# Altium PCB EgSA-Cube3.PcbDoc (part 1 of 2) (continued)
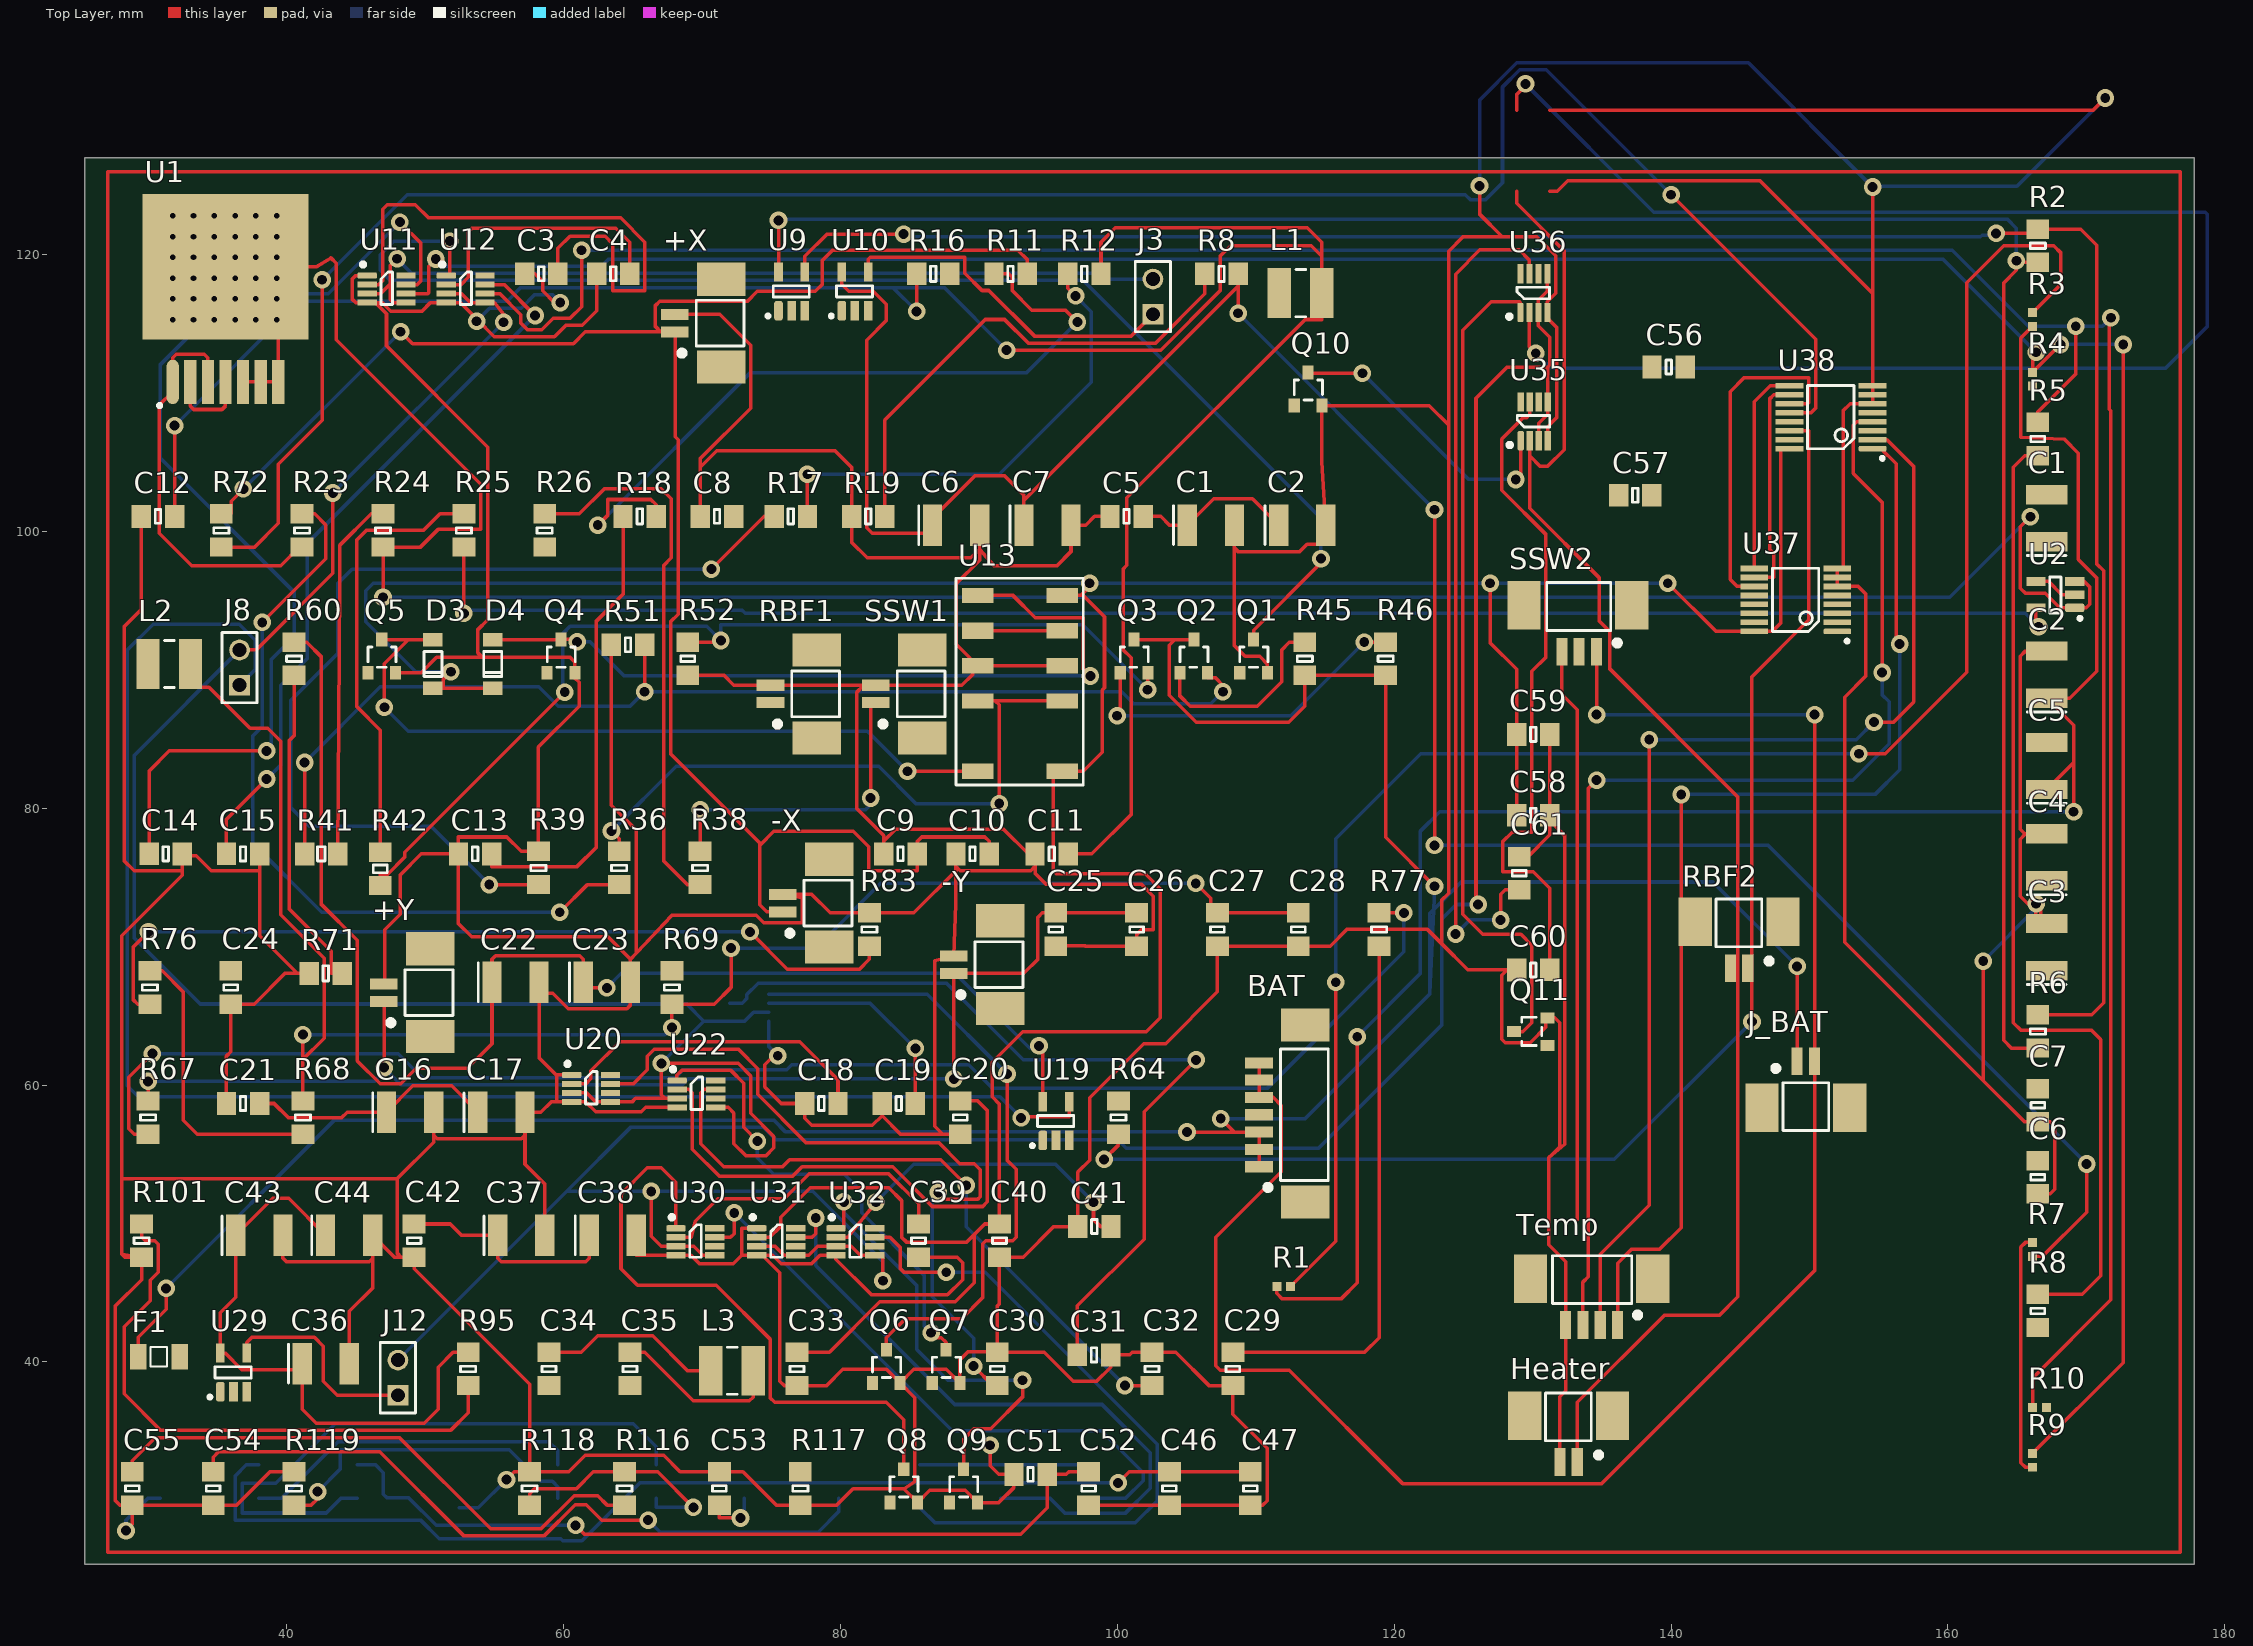
[diagram p0: Top Layer view]
## Part data (continued)
R51 R52: "RES 27K OHM 1% 1/2W 0805", Manufacturer="Panasonic Electronic Components", Operating Temperature="-55°C ~ 155°C", Package / Case="0805 (2012 Metric)", Power (Watts)="0.5W, 1/2W", Supplier Device Package=0805, Supplier Part Number 1=P16902CT-ND, Temperature Coefficient=±200ppm/°C, Tolerance=±1%, Category=Resistors, ComponentLink1Description=https://industrial.panasonic.com/cdbs/www-data/pdf/RDO0000/RDO0000C337.pdf, ComponentLink1URL=https://industrial.panasonic.com/cdbs/www-data/pdf/RDO0000/RDO0000C337.pdf, Composition="Thick Film", Failure Rate=-, Features="Automotive AEC-Q200, Pulse Withstanding", Height - Seated (Max)="0.030\" (0.75mm)", Manufacturer Part Number=ERJ-P6WF2702V, Packaging="Cut Tape (CT)", Part Status=Active, Pricing 1="1=0.61, 10=0.465, 100=0.1956, 1000=0.10794, 2500=0.10119 (USD)", RoHS="RoHS Compliant", Size / Dimension="0.079\" L x 0.049\" W (2.00mm x 1.25mm)", Stock 1=2607, Supplier 1=Digi-Key
R64 R72: "RES 20K OHM 1% 1/2W 0805", Case Code (Imperial)=0805, Case Code (Metric)=2012, Manufacturer="Vishay Dale", Max Operating Temperature=155°C, Max Power Dissipation=333mW, Min Operating Temperature=-55°C, Package Quantity=10, Power Rating=500mW, Resistance=20kR, Supplier Part Number 1=541-20.0KTCT-ND, Temperature Coefficient=100ppm/°C, Tolerance=1%, Voltage Rating=150V, Case/Package=0805, ComponentLink1Description=http://www.vishay.com/docs/20043/crcwhpe3.pdf?src-supplier=Digi-Key, ComponentLink1URL=http://www.vishay.com/docs/20043/crcwhpe3.pdf?src-supplier=Digi-Key, ComponentLink2Description=http://www.vishay.com/docs/20043/crcwhpe3.pdf?src-supplier=Avnet, ComponentLink2URL=http://www.vishay.com/docs/20043/crcwhpe3.pdf?src-supplier=Avnet, Composition="Thick Film", Contact Plating=Tin, Depth=1.25mm, Features="Automotive AEC-Q200", Height=0.024inch, Lead Free="Lead Free", Length=2mm, Manufacturer Part Number=CRCW080520K0FKEAHP, Mount="Surface Mount", Number of Terminations=2, Packaging="Tape and Reel", Pricing 1="1=0.24, 10=0.204, 100=0.0798, 1000=0.0334, 2500=0.0306 (USD)", Radiation Hardening=No, Stock 1=10149, Supplier 1=Digi-Key, Termination=SMD/SMT, Weight=0.000194oz, Width=1.2mm
R67: "RES 191K OHM 1% 1/2W 0805", Case Code (Imperial)=0805, Case Code (Metric)=2012, Manufacturer=Panasonic, Manufacturer Part Number=ERJP06F1913V, Max Operating Temperature=155°C, Min Operating Temperature=-55°C, Package Quantity=5000, Power Rating=500mW, Resistance=191kR, Resistor Type="Thick Film", Supplier Part Number 1=667-ERJ-P06F1913V, Temperature Coefficient=100ppm/°C, Tolerance=1%, Voltage Rating=150V, Voltage Rating (DC)=400V, Case/Package=0805, ComponentLink1Description=http://www.farnell.com/datasheets/1801181.pdf?src-supplier=Element14, ComponentLink1URL=http://www.farnell.com/datasheets/1801181.pdf?src-supplier=Element14, ComponentLink2Description=http://www.farnell.com/datasheets/2059624.pdf?src-supplier=Farnell, ComponentLink2URL=http://www.farnell.com/datasheets/2059624.pdf?src-supplier=Farnell, ComponentLink3Description=http://www.mouser.com/ds/2/315/AOA0000C291-1101061.pdf?src-supplier=Mouser, ComponentLink3URL=http://www.mouser.com/ds/2/315/AOA0000C291-1101061.pdf?src-supplier=Mouser, Height=0.6mm, Length=2mm, Mount="Surface Mount", Packaging="Tape and Reel", Pricing 1="1=0.15, 10=0.086, 50=0.071, 100=0.048, 1000=0.022, 10000=0.016 (USD)", REACH SVHC="No SVHC", RoHS Compliant=Yes, Stock 1=9958, Supplier 1=Mouser, Width=1.2mm
R103: "RES 470K OHM 1% 1/2W 0805", Case Code (Imperial)=0805, Case Code (Metric)=2012, Manufacturer="Vishay Dale", Max Operating Temperature=155°C, Max Power Dissipation=500mW, Min Operating Temperature=-55°C, Package Quantity=5000, Power Rating=330mW, Resistance=470kR, Resistor Type="Thick Film", Supplier Part Number 1=71-CRCW0805470KFKEAH, Temperature Coefficient=100ppm/°C, Tolerance=1%, Case/Package=0805, ComponentLink1Description=http://www.vishay.com/docs/20043/crcwhpe3.pdf?src-supplier=Digi-Key, ComponentLink1URL=http://www.vishay.com/docs/20043/crcwhpe3.pdf?src-supplier=Digi-Key, Contact Plating=Tin, Features="Automotive AEC-Q200", Height=0.024inch, Lead Free="Lead Free", Length=0.079inch, Manufacturer Part Number=CRCW0805470KFKEAHP, Mount="Surface Mount", Number of Terminations=2, Packaging="Tape and Reel", Pricing 1="1=0.26, 10=0.222, 50=0.222, 100=0.086, 1000=0.033, 10000=0.025 (USD)", RoHS Compliant=Yes, Series=CRCW-HP, Stock 1=3950, Supplier 1=Mouser, Termination=Wraparound, Width=0.049inch
R107: "RES SMD 12.4K OHM 1% 1/2W 0805", Case Code (Imperial)=0805, Case Code (Metric)=2012, Manufacturer="Vishay Dale", Max Operating Temperature=155°C, Max Power Dissipation=500mW, Min Operating Temperature=-55°C, Package Quantity=5000, Resistance=12.4kR, Resistor Type="Thick Film", Supplier Part Number 1=541-12.4KTCT-ND, Temperature Coefficient=100ppm/°C, Tolerance=1%, Case/Package=0805, ComponentLink1Description=http://www.vishay.com/docs/20043/crcwhpe3.pdf?src-supplier=Digi-Key, ComponentLink1URL=http://www.vishay.com/docs/20043/crcwhpe3.pdf?src-supplier=Digi-Key, Features="Automotive AEC-Q200", Height=0.024inch, Lead Free="Lead Free", Length=0.079inch, Manufacturer Part Number=CRCW080512K4FKEAHP, Number of Terminations=2, Packaging="Tape and Reel", Pricing 1="1=0.23, 10=0.192, 100=0.0752, 1000=0.0315, 2500=0.0289 (USD)", RoHS Compliant=Yes, Series=CRCW-HP, Stock 1=1008, Supplier 1=Digi-Key, Width=0.049inch
R108: "RES 1M OHM 1% 1/2W 0805", Case Code (Imperial)=0805, Case Code (Metric)=2012, Manufacturer="Vishay Dale", Max Operating Temperature=155°C, Max Power Dissipation=333mW, Min Operating Temperature=-55°C, Package Quantity=10, Power Rating=330mW, Resistance=1MR, Resistor Type="Thick Film", Supplier Part Number 1=541-1.00MTCT-ND, Temperature Coefficient=100ppm/°C, Tolerance=1%, Voltage Rating=150V, Case/Package=0805, ComponentLink1Description=http://www.vishay.com/docs/20043/crcwhpe3.pdf?src-supplier=Digi-Key, ComponentLink1URL=http://www.vishay.com/docs/20043/crcwhpe3.pdf?src-supplier=Digi-Key, ComponentLink2Description=http://www.vishay.com/docs/20043/crcwhpe3.pdf?src-supplier=Avnet, ComponentLink2URL=http://www.vishay.com/docs/20043/crcwhpe3.pdf?src-supplier=Avnet, ComponentLink3Description=http://www.mouser.com/ds/2/427/crcwhpe3-46056.pdf?src-supplier=Mouser, ComponentLink3URL=http://www.mouser.com/ds/2/427/crcwhpe3-46056.pdf?src-supplier=Mouser, Contact Plating=Tin, Features="Automotive AEC-Q200", Height=0.024inch, Lead Free="Lead Free", Length=2mm, Manufacturer Part Number=CRCW08051M00FKEAHP, Mount="Surface Mount", Number of Terminations=2, Packaging="Tape and Reel", Pricing 1="1=0.23, 10=0.193, 100=0.0753, 1000=0.0315, 2500=0.0289 (USD)", Radiation Hardening=No, RoHS Compliant=Yes, Series=CRCW-HP, Stock 1=21204, Supplier 1=Digi-Key, Termination=SMD/SMT, Weight=0.000194oz, Width=0.049inch
R111: "RES 510K OHM 1% 1/2W 0805", Case Code (Imperial)=0805, Case Code (Metric)=2012, Manufacturer="Vishay Dale", Max Operating Temperature=155°C, Max Power Dissipation=500mW, Min Operating Temperature=-55°C, Package Quantity=5000, Power Rating=330mW, Resistance=510kR, Resistor Type="Thick Film", Supplier Part Number 1=541-510KTCT-ND, Temperature Coefficient=100ppm/°C, Tolerance=1%, Case/Package=0805, ComponentLink1Description=http://www.vishay.com/docs/20043/crcwhpe3.pdf?src-supplier=Digi-Key, ComponentLink1URL=http://www.vishay.com/docs/20043/crcwhpe3.pdf?src-supplier=Digi-Key, Contact Plating=Tin, Features="Automotive AEC-Q200", Height=0.024inch, Lead Free="Lead Free", Length=0.079inch, Manufacturer Part Number=CRCW0805510KFKEAHP, Mount="Surface Mount", Number of Terminations=2, Packaging="Tape and Reel", Pricing 1="1=0.23, 10=0.193, 100=0.0753, 1000=0.0315, 2500=0.0289 (USD)", RoHS Compliant=Yes, Series=CRCW-HP, Stock 1=3687, Supplier 1=Digi-Key, Termination=Wraparound, Width=0.049inch
R112: "RES 78.7 KOHM 1% 1/2W 0805", Case Code (Imperial)=0805, Case Code (Metric)=2012, Manufacturer=Panasonic, Max Operating Temperature=155°C, Min Operating Temperature=-55°C, Package Quantity=5000, Power Rating=500mW, Resistance=78.7kR, Resistor Type="Thick Film", Supplier Part Number 1=667-ERJ-P06F7872V, Temperature Coefficient=100ppm/°C, Tolerance=1%, Voltage Rating=150V, Voltage Rating (DC)=400V, Case/Package=0805, ComponentLink1Description=http://www.mouser.com/ds/2/315/AOA0000CE4-64075.pdf?src-supplier=Mouser, ComponentLink1URL=http://www.mouser.com/ds/2/315/AOA0000CE4-64075.pdf?src-supplier=Mouser, ComponentLink2Description=http://www.farnell.com/datasheets/1801181.pdf?src-supplier=Element14, ComponentLink2URL=http://www.farnell.com/datasheets/1801181.pdf?src-supplier=Element14, Height=0.6mm, Length=2mm, Manufacturer Part Number=ERJ-P06F7872V, Mount="Surface Mount", Packaging="Tape and Reel", Pricing 1="1=0.17, 10=0.098, 50=0.081, 100=0.055, 1000=0.025, 10000=0.017 (USD)", REACH SVHC="No SVHC", Stock 1=4900, Supplier 1=Mouser, Width=1.2mm
R113: "RES 9.09K OHM 1% 1/2W 0805", Case/Package=0805, Manufacturer="Vishay Dale", Max Power Dissipation=333mW, Package Quantity=5000, Resistance=9.09kR, Resistor Type="Thick Film", Supplier Part Number 1=541-CRCW08059K09FKEAHPCT-ND, Temperature Coefficient=100ppm/°C, Tolerance=1%, ComponentLink1Description=http://www.vishay.com/docs/20043/crcwhpe3.pdf?src-supplier=Digi-Key, ComponentLink1URL=http://www.vishay.com/docs/20043/crcwhpe3.pdf?src-supplier=Digi-Key, Features="Automotive AEC-Q200", Height=0.024inch, Lead Free="Lead Free", Length=0.079inch, Manufacturer Part Number=CRCW08059K09FKEAHP, Number of Terminations=2, Packaging="Tape and Reel", Pricing 1="1=0.23, 10=0.193, 100=0.0753, 1000=0.0315, 2500=0.0289 (USD)", RoHS Compliant=Yes, Series=CRCW-HP, Stock 1=4900, Supplier 1=Digi-Key, Width=0.049inch
R116: "RES 1.6K OHM 1% 1/2W 0805", Capacitance=4.7nF, Case/Package=0805, Dielectric=X7R, Dielectric Material=Ceramic, Manufacturer=KEMET, Manufacturer Part Number=C0805C472K4RAC7800, Max Operating Temperature=125°C, Min Operating Temperature=-55°C, Supplier Part Number 1=399-14607-1-ND, Tolerance=10%, Voltage Rating (DC)=16V, ComponentLink1Description=http://components.arrow.com/part/dataview/0323_00331522?src-supplier=Arrow+Europe, ComponentLink1URL=http://components.arrow.com/part/dataview/0323_00331522?src-supplier=Arrow+Europe, ComponentLink2Description=http://capacitoredge.kemet.com/capedge2/DataSheet?pn=C0805C472K4RACTU&src-supplier=Avnet+Europe, ComponentLink2URL=http://capacitoredge.kemet.com/capedge2/DataSheet?pn=C0805C472K4RACTU&src-supplier=Avnet+Europe, Construction=Flat, Depth=1.25mm, Height=0.78mm, Length=2mm, Mount="Surface Mount", Packaging="Tape and Reel", Pricing 1="1=0.3, 10=0.207, 50=0.1378, 100=0.1171, 500=0.0826, 1000=0.0723 (USD)", Radiation Hardening=No, Stock 1=904, Supplier 1=Digi-Key
R117: "RES 105 KOHM 1% 1/2W 0805", Case Code (Imperial)=0805, Case Code (Metric)=2012, Manufacturer=Panasonic, Manufacturer Part Number=ERJP06F1053V, Max Operating Temperature=155°C, Min Operating Temperature=-55°C, Package Quantity=5000, Power Rating=500mW, Resistance=105kR, Resistor Type="Thick Film", Supplier Part Number 1=667-ERJ-P06F1053V, Temperature Coefficient=100ppm/°C, Tolerance=1%, Voltage Rating=150V, Voltage Rating (DC)=400V, Case/Package=0805, ComponentLink1Description=http://www.farnell.com/datasheets/1801181.pdf?src-supplier=Element14, ComponentLink1URL=http://www.farnell.com/datasheets/1801181.pdf?src-supplier=Element14, ComponentLink2Description=http://www.mouser.com/ds/2/315/AOA0000C291-1101061.pdf?src-supplier=Mouser, ComponentLink2URL=http://www.mouser.com/ds/2/315/AOA0000C291-1101061.pdf?src-supplier=Mouser, ComponentLink3Description=http://www.farnell.com/datasheets/2059624.pdf?src-supplier=Farnell, ComponentLink3URL=http://www.farnell.com/datasheets/2059624.pdf?src-supplier=Farnell, Height=0.6mm, Length=2mm, Mount="Surface Mount", Packaging="Tape and Reel", Pricing 1="1=0.17, 10=0.09, 50=0.075, 100=0.05, 1000=0.024, 10000=0.017 (USD)", REACH SVHC="No SVHC", Stock 1=14770, Supplier 1=Mouser, Width=1.2mm
SSW2: "CONN HEADER SMD R/A 3POS 1.25MM", Color=Natural, Contact Resistance=20mR, Current Rating=1A, Flammability Rating="UL94 V-0", Insulation Resistance=100MR, Manufacturer=Molex, Manufacturer Series=53261, Max Operating Temperature=85°C, Min Operating Temperature=-40°C, Supplier Part Number 1=538-53261-0371, Voltage Rating=125V, ComponentLink1Description=https://www.molex.com/pdm_docs/pk/SPK-53261-002-001.pdf?src-supplier=Digi-Key, ComponentLink1URL=https://www.molex.com/pdm_docs/pk/SPK-53261-002-001.pdf?src-supplier=Digi-Key, ComponentLink2Description=http://www.jameco.com/Jameco/Products/ProdDS/1302094.pdf?src-supplier=Jameco, ComponentLink2URL=http://www.jameco.com/Jameco/Products/ProdDS/1302094.pdf?src-supplier=Jameco, ComponentLink3Description=https://www.molex.com/pdm_docs/sd/532610371_sd.pdf?src-supplier=Digi-Key, ComponentLink3URL=https://www.molex.com/pdm_docs/sd/532610371_sd.pdf?src-supplier=Digi-Key, ComponentLink4Description=http://www.onlinecomponents.com/productFiles/mf-MOL/1620532610371_pcb_headers.pdf?src-supplier=Onlinecomponents.com, ComponentLink4URL=http://www.onlinecomponents.com/productFiles/mf-MOL/1620532610371_pcb_headers.pdf?src-supplier=Onlinecomponents.com, ComponentLink5Description=http://components.arrow.com/part/dataview/40924515S9851323N3303?src-supplier=Arrow+Electronics, ComponentLink5URL=http://components.arrow.com/part/dataview/40924515S9851323N3303?src-supplier=Arrow+Electronics, ComponentLink6Description=http://www.molex.com/webdocs/datasheets/pdf/en-us/0532610371_PCB_HEADERS.pdf?src-supplier=Avnet, ComponentLink6URL=http://www.molex.com/webdocs/datasheets/pdf/en-us/0532610371_PCB_HEADERS.pdf?src-supplier=Avnet, ComponentLink7Description=http://uk.rs-online.com/webdocs/1380/0900766b8138010c.pdf?src-supplier=RSComponents, ComponentLink7URL=http://uk.rs-online.com/webdocs/1380/0900766b8138010c.pdf?src-supplier=RSComponents, Connector Type="Blade Pin", Contact Gender=Male, Contact Material=Bronze,Tin, Contact Plating=Tin, Contact Type="Blade Pin", Depth=5.2mm, DIN Conformance=No, Filter Feature=No, Housing Color=Natural, Housing Material=Nylon, IEC Conformance=No, Length=8.9mm, Manufacturer Part Number=53261-0371, MIL Conformance=No, Mixed Contacts=No, Mount="Surface Mount,Board", Mounting Style=STRAIGHT, Number of Contacts=3, Number of Positions=3, Number of Rows=1, Number of Rows Loaded=1, Option="General Purpose", Orientation="Right Angle", Packaging="Tape and Reel", Pitch=1.25mm, Pricing 1="1=0.57, 10=0.426, 50=0.426, 100=0.373, 1000=0.274, 10000=0.221 (USD)", Radiation Hardening=No, REACH SVHC=Unknown, RoHS Compliant=Yes, Series=PicoBlade, Stock 1=43703, Supplier 1=Mouser, Termination=Solder, Voltage Rating (AC)=125V, Working Voltage=125V
Temp: "CONN HEADER SMD R/A 4POS 1.25MM", Color=Beige, Contact Resistance=20mR, Current Rating=1A, Flammability Rating="UL94 V-0", Housing Color=Natural, Insulation Resistance=100MR, Manufacturer=Molex, Max Operating Temperature=105°C, Min Operating Temperature=-40°C, Package Quantity=1000, Supplier Part Number 1=WM7622CT-ND, Voltage Rating=125V, ComponentLink1Description=http://www.mouser.com/ds/2/276/0532610471_PCB_HEADERS-170942.pdf?src-supplier=Mouser, ComponentLink1URL=http://www.mouser.com/ds/2/276/0532610471_PCB_HEADERS-170942.pdf?src-supplier=Mouser, ComponentLink2Description=http://components.arrow.com/part/dataview/41622439S9851324N3303?src-supplier=Arrow+Electronics, ComponentLink2URL=http://components.arrow.com/part/dataview/41622439S9851324N3303?src-supplier=Arrow+Electronics, ComponentLink3Description=http://uk.rs-online.com/webdocs/1380/0900766b8138010d.pdf?src-supplier=RSComponents, ComponentLink3URL=http://uk.rs-online.com/webdocs/1380/0900766b8138010d.pdf?src-supplier=RSComponents, ComponentLink4Description=http://www.farnell.com/datasheets/1867384.pdf?src-supplier=Element14, ComponentLink4URL=http://www.farnell.com/datasheets/1867384.pdf?src-supplier=Element14, ComponentLink5Description=http://www.molex.com/webdocs/datasheets/pdf/en-us/0532610471_PCB_HEADERS.pdf?src-supplier=Avnet+Europe, ComponentLink5URL=http://www.molex.com/webdocs/datasheets/pdf/en-us/0532610471_PCB_HEADERS.pdf?src-supplier=Avnet+Europe, ComponentLink6Description=http://www.molex.com/webdocs/datasheets/pdf/en-us/0532610471_PCB_HEADERS.pdf?src-supplier=Avnet, ComponentLink6URL=http://www.molex.com/webdocs/datasheets/pdf/en-us/0532610471_PCB_HEADERS.pdf?src-supplier=Avnet, ComponentLink7Description=http://www.farnell.com/datasheets/2697767.pdf?src-supplier=Newark, ComponentLink7URL=http://www.farnell.com/datasheets/2697767.pdf?src-supplier=Newark, ComponentLink8Description=https://www.alliedelec.com/m/d/74d14d19c60ab078e4881c4c1bd42ef7.pdf?src-supplier=Allied+Electronics, ComponentLink8URL=https://www.alliedelec.com/m/d/74d14d19c60ab078e4881c4c1bd42ef7.pdf?src-supplier=Allied+Electronics, ComponentLink9Description=http://www.jameco.com/Jameco/Products/ProdDS/1932555.pdf?src-supplier=Jameco, ComponentLink9URL=http://www.jameco.com/Jameco/Products/ProdDS/1932555.pdf?src-supplier=Jameco, Contact Gender=Male, Contact Material=Tin, Contact Plating=Tin, Contact Type=-, Gender=Male, Glow Wire Compliant=Non-compliant, Housing Material=Thermoplastic, Lead Free="Lead Free", Lead Pitch=1.25mm, Manufacturer Part Number=53261-0471, Mount="Surface Mount", Number of Circuits=4, Number of Contacts=4, Number of Positions=4, Number of Rows=1, Orientation="Right Angle", Packaging="Cut Tape", Pitch=1.25mm, Pricing 1="1=0.59, 10=0.499, 100=0.3883 (USD)", Radiation Hardening=No, REACH SVHC=Unknown, RoHS Compliant=Yes, Series=53261, Stock 1=35326, Supplier 1=Digi-Key, Termination=SMD/SMT, Voltage Rating (AC)=125V, Voltage Rating (DC)=125V, Weight=0.005598oz, Working Voltage=125V
U1: library part LMZ22005TZX/NOPB, "DC DC CONVERTER 0.8-6V", Manufacturer="TI National Semiconductor", Max Input Voltage=20V, Max Operating Temperature=85°C, Max Power Dissipation=30W, Min Input Voltage=6V, Min Operating Temperature=-40°C, Output Current=5A, Package Quantity=500, Supplier Part Number 1=296-43603-1-ND, Switching Frequency=950kHz, ComponentLink1Description=http://www.ti.com/lit/ds/symlink/lmz22005.pdf?src-supplier=Digi-Key, ComponentLink1URL=http://www.ti.com/lit/ds/symlink/lmz22005.pdf?src-supplier=Digi-Key, Contact Plating=Tin,Matte, Efficiency=92%, Features=UVLO, Height=0.18inch, Lead Free="Lead Free", Length=0.4inch, Manufacturer Part Number=LMZ22005TZX/NOPB, Mount="Surface Mount", Number of Outputs=1, Number of Pins=7, Output Power=30W, Output Voltage=6V, Packaging="Tape and Reel", Pricing 1="1=9.19, 5=9.124, 10=9.055, 25=8.9156, 50=8.637, 100=7.8012, 250=7.6619 (USD)", Stock 1=2457, Supplier 1=Digi-Key, Voltage - Output 1=6V, Width=0.54inch
U2: library part LT6106HS5#TRPBF_1, "IC OPAMP CURR SENSE TSOT23-5", Current - Supply=70µA, Manufacturer="Linear Technology", Manufacturer Part Number=LT6106HS5#TRMPBF, Operating Temperature="-40°C ~ 125°C", Package / Case="SOT-23-5 Thin, TSOT-23-5", Supplier Device Package=TSOT-23-5, Supplier Part Number 1=LT6106HS5#TRMPBFCT-ND, Voltage - Supply, Single/Dual (±)="2.7 V ~ 36 V", Amplifier Type="Current Sense", Base Part Number=LT6106, Category="Integrated Circuits (ICs)", ComponentLink1Description=http://www.linear.com/docs/24992, ComponentLink1URL=http://www.linear.com/docs/24992, Mounting Type="Surface Mount", Output Type=-, Packaging="Cut Tape (CT)", Part Status=Active, Pricing 1="1=2.3, 25=2.0504, 100=1.3586, 250=1.24544 (USD)", RoHS="RoHS Compliant", Slew Rate=-, Stock 1=7462, Supplier 1=Digi-Key
U9 U10 U19 U29: library part LT6106HS5#TRPBF, "IC OPAMP CURR SENSE TSOT23-5", Current - Supply=70µA, Manufacturer="Linear Technology", Manufacturer Part Number=LT6106HS5#TRMPBF, Operating Temperature="-40°C ~ 125°C", Package / Case="SOT-23-5 Thin, TSOT-23-5", Supplier Device Package=TSOT-23-5, Supplier Part Number 1=LT6106HS5#TRMPBFCT-ND, Voltage - Supply, Single/Dual (±)="2.7 V ~ 36 V", Amplifier Type="Current Sense", Base Part Number=LT6106, Category="Integrated Circuits (ICs)", ComponentLink1Description=http://www.linear.com/docs/24992, ComponentLink1URL=http://www.linear.com/docs/24992, Mounting Type="Surface Mount", Output Type=-, Packaging="Cut Tape (CT)", Part Status=Active, Pricing 1="1=2.3, 25=2.0504, 100=1.3586, 250=1.24544 (USD)", RoHS="RoHS Compliant", Slew Rate=-, Stock 1=7462, Supplier 1=Digi-Key
U11 U12 U20 U21 U22 U30 U31 U32 U35 U36: library part LTC4361HTS8-2#TRMPBF, "IC OVERVOLT PROT CONT TSOT23-8", Base Part Number=LTC4361-2, Current - Supply=220µA, Manufacturer="Linear Technology", Manufacturer Part Number=LTC4361ITS8-2#TRMPBF, Operating Temperature="-40°C ~ 85°C", Package / Case="SOT-23-8 Thin, TSOT-23-8", Supplier Device Package=TSOT-23-8, Supplier Part Number 1=LTC4361ITS8-2#TRMPBFCT-ND, Voltage - Supply="2.5 V ~ 80 V", Applications="Handheld/Mobile Devices", Category="Integrated Circuits (ICs)", ComponentLink1Description=http://www.linear.com/docs/29266, ComponentLink1URL=http://www.linear.com/docs/29266, Mounting Type="Surface Mount", Packaging="Cut Tape (CT)", Part Status=Active, Pricing 1="1=3.87, 25=3.4596, 100=2.2889, 250=2.09816 (USD)", RoHS="RoHS Compliant", Stock 1=1487, Supplier 1=Digi-Key
U13: "RELAY TELECOM DPDT 2A 5V", Coil Power="200 mW", Coil Voltage=5VDC, Manufacturer="Omron Electronics Inc-EMC Div", Operating Temperature="-40°C ~ 85°C", Supplier Part Number 1=G6SK-2G-DC5-ND, Switching Voltage="250VAC, 220VDC - Max", Turn Off Voltage (Min)=-, Turn On Voltage (Max)="3.75 VDC", Category=Relays, Coil Type="Latching, Dual Coil", ComponentLink1Description=http://omronfs.omron.com/en_US/ecb/products/pdf/en-g6s.pdf, ComponentLink1URL=http://omronfs.omron.com/en_US/ecb/products/pdf/en-g6s.pdf, Contact Form="DPDT (2 Form C)", Contact Material="Silver (Ag), Gold (Au)", Features=-, Manufacturer Part Number="G6SK-2G DC5", Mounting Type="Surface Mount", Packaging=Tube, Part Status=Active, Pricing 1="1000=2.65888 (USD)", Relay Type=Telecom, RoHS="RoHS Compliant", Stock 1=0, Supplier 1=Digi-Key, Termination Style="J Lead"
U37 U38: "IC MUX/DEMUX 8X1 16TSSOP", Base Part Number=74HC4051, Channel Capacitance (CS(off), CD(off))=25pF, Current - Leakage (IS(off)) (Max)=400nA, Manufacturer="Texas Instruments", On-State Resistance (Max)="130 Ohm", Operating Temperature="-40°C ~ 125°C (TA)", Package / Case="16-TSSOP (0.173\", 4.40mm Width)", Supplier Device Package=16-TSSOP, Supplier Part Number 1=296-31590-6-ND, Voltage - Supply, Dual (V±)="±1 V ~ 5 V", Voltage - Supply, Single (V+)="2 V ~ 6 V", -3db Bandwidth=180MHz, Category="Integrated Circuits (ICs)", Channel-to-Channel Matching (&Delta;Ron)="5 Ohm", Charge Injection=-, ComponentLink1Description=http://www.ti.com/lit/ds/symlink/cd74hc4051-q1.pdf, ComponentLink1URL=http://www.ti.com/lit/ds/symlink/cd74hc4051-q1.pdf, Crosstalk=-, Manufacturer Part Number=CD74HC4051QPWRQ1, Multiplexer/Demultiplexer Circuit=8:1, Packaging=Digi-Reel®, Part Status=Active, Pricing 1="1=0.58, 10=0.51, 100=0.3909, 500=0.309, 1000=0.2472 (USD)", RoHS="RoHS Compliant", Stock 1=59, Supplier 1=Digi-Key, Switch Circuit=-, Switch Time (Ton, Toff) (Max)=-

## Via types
v1: diameter 1.27, hole 0.711, Top Layer to Bottom Layer, tented both sides, 139 vias
v2: diameter 0.7, hole 0.4, Top Layer to Bottom Layer, tented both sides, 36 vias

## Nets (pads, with @x,y where several pads share a name; then routed paths per layer and width w, separated by ;. In a path a pad name is that pad's centre, name@x,y a point inside that pad or via, vN(x,y) a via of type N, cw(c..) or ccw(c..) an arc to the next point about the centre after c; other vN are vias at no path point)
3V3_1_COM: C6.1@86.643,100.457 C7.1@93.247,100.457 R7.1 R8.2@108.72,118.618 U10.5 | length 172.5
  Top Layer w0.254: U10.5@80.088,118.751 80.088,117.856 80.596,117.348 82.372,117.348 83.312,116.408 83.312,115.24 81.89,113.817 81.89,100.279 82.296,99.873 86.643,99.873 C6.1@86.643,100.457 86.643,100.965 89.691,104.013 91.85,104.013 93.247,102.616 93.247,102.264 ; C7.1@93.247,100.457 93.247,102.264 ; v1(108.72,115.765) 108.72,117.737 ; R8.2@108.72,118.618 108.72,117.737 ; v1(122.911,77.318) v1(122.911,101.575) ; R7.1@166.116,47.633 166.835,47.633 170.028,50.825 v1(170.028,54.305) ; 93.247,102.264 108.72,117.737
  Bottom Layer w0.254: v1(108.72,115.765) v1(122.911,101.575) ; v1(122.911,77.318) 147.015,77.318 v1(170.028,54.305)
3V3_2_BUS: C22.1 C23.1 R60.2 U19.5 | length 99.2
  Top Layer w0.254: R60.2@40.513,92.005 41.421,92.005 42.494,90.932 42.494,73.05 45.085,70.46 45.085,61.747 46.736,60.096 48.235,60.096 49.352,61.214 53.037,61.214 54.815,62.992 C22.1@54.815,67.437 54.815,69.088 55.069,69.342 61.165,69.342 61.419,69.088 C23.1@61.419,67.437 61.419,67.031 v1(63.119,67.031) ; v1(94.336,62.84) 94.615,62.56 U19.5@94.615,58.807
  Bottom Layer w0.254: v1(63.119,67.031) 64.16,68.072 88.265,68.072 93.675,62.662 94.336,62.662 v1(94.336,62.84)
3V3_BUS: J8.2 U12.3 U12.5 U20.3 U20.5 U21.3 U21.5 U22.3 U22.5 | length 145.2
  Top Layer w0.254: J8.2@36.576,91.44 37.77,91.44 43.321,96.991 v1(43.321,102.782) ; U12.3@51.513,117.191 52.588,117.191 53.238,116.541 U12.5@54.313,116.541 54.986,116.541 55.905,115.366 v1(55.651,115.113) ; U20.3@60.573,59.436 61.671,59.436 62.321,58.786 U20.5@63.373,58.786 64.933,58.786 65.187,59.04 67.31,59.04 ; U22.3@68.193,59.04 67.31,59.04 ; U22.5@70.993,58.39 71.882,58.39 72.288,57.984 72.288,55.778 73.152,54.915 74.625,54.915 75.184,55.474 75.184,56.286 73.508,57.963 73.508,60.659 72.597,61.57 v1(67.056,61.57) 67.056,59.294 67.31,59.04
  Bottom Layer w0.254: J8.2@36.576,91.44 28.981,83.845 28.981,70.612 33.731,65.862 68.88,65.862 70.114,64.628 ; v1(43.321,102.782) v1(55.651,115.113) ; v1(67.056,61.57) 70.114,64.628 ; U21.3@74.803,65.278 73.711,65.278 73.061,64.628 U21.5@72.003,64.628 70.114,64.628
3V3_COM: J3.2 U11.3 U11.5 | length 61.5
  Top Layer w0.254: U11.3@45.798,117.191 46.782,117.191 47.447,117.856 ; v1(47.955,119.71) 47.447,119.202 47.447,117.856 ; U11.5@48.598,116.541 47.695,116.541 47.447,116.789 47.447,117.856
  Bottom Layer w0.254: v1(47.955,119.71) 49.022,118.643 98.388,118.643 98.794,118.237 J3.2@102.567,118.237
5V_1: C36.1 C43.1 C44.1 R95.2 U29.5 | length 43.7
  Top Layer w0.254: C36.1@41.11,39.878 C36.1@41.11,39.446 ; C44.1@42.788,49.149 40.121,51.816 38.978,51.816 C43.1@36.311,49.149 36.311,44.679 35.19,43.558 U29.5@35.19,40.646 35.535,40.646 36.734,39.446 C36.1@41.11,39.446 ; R95.2@53.097,40.697 52,40.697 50.927,39.624 50.927,36.576 49.911,35.56 42.126,35.56 41.11,36.576 C36.1@41.11,39.446
+5V: C33.2 C40.2 C58.2 C59.2 D3.1 D4.1 U13.1 U13.5 U31.2 U37.16 U38.16 | length 261.1
  Top Layer w0.254: D3.1@50.546,88.674 51.308,88.674 ; v1(51.841,89.865) 51.308,89.332 51.308,88.674 ; D4.1@54.864,88.674 51.308,88.674 ; U31.2@73.952,49.007 74.89,49.007 75.667,49.784 75.667,50.444 77.8,52.578 83.49,52.578 84.404,51.664 84.404,49.022 84.76,48.666 89.122,48.666 89.662,49.206 ; C33.2@76.846,40.697 79.197,40.697 82.839,44.339 88.281,44.339 89.662,45.72 89.662,49.206 ; U13.5@96.012,95.377 97.358,95.377 ; v1(97.993,96.266) 97.993,96.012 97.358,95.377 ; v1(126.924,96.266) 126.924,91.973 128.848,90.049 C59.2@128.848,85.344 C58.2@128.848,79.502 ; v1(139.767,96.266) 143.256,92.777 U37.16@146.019,92.777 147.32,92.777 147.93,93.387 147.93,105.985 U38.16@148.559,105.985 ; 89.662,49.206 90.424,49.968 C40.2@91.478,49.968 91.478,58.627 90.948,59.157 90.948,61.655 93.149,63.856 102.097,63.856 103.099,64.858 103.099,74.168 102.006,75.26 95.58,75.26 95.352,75.489 95.352,82.677 U13.1@96.012,82.677 97.536,82.677 98.908,84.049 98.908,88.544 99.067,88.704 99.067,93.846 97.536,95.377 97.358,95.377
  Bottom Layer w0.254: v1(51.841,89.865) 49.296,89.865 45.69,93.472 45.69,95.728 46.228,96.266 v1(97.993,96.266) v1(126.924,96.266) v1(139.767,96.266)
+5V_BUS: J12.2 U30.3 U30.5 U31.3 U31.5 U32.3 U32.5 U35.3 U35.5 U36.3 U36.5 | length 199.7
  Top Layer w0.254: v1(66.319,52.324) 66.319,49.094 67.056,48.357 U30.3@68.11,48.357 69.397,48.357 70.047,47.707 U30.5@70.91,47.707 ; U31.3@73.952,48.357 75.265,48.357 75.915,47.707 U31.5@76.752,47.707 77.699,47.707 78.349,48.357 U32.3@79.667,48.357 80.772,48.357 81.422,47.707 U32.5@82.467,47.707 83.058,47.707 v1(83.058,45.872) ; v1(126.06,73.05) 125.908,73.203 125.908,109.626 128.143,111.862 131.094,111.862 ; U35.3@130.444,106.553 130.444,107.808 131.094,108.458 U35.5@131.094,109.353 131.094,111.862 ; U36.5@131.064,118.624 131.064,117.348 130.414,116.698 U36.3@130.414,115.824 130.414,114.876 131.244,114.046 131.244,112.012 131.094,111.862
  Bottom Layer w0.254: J12.2@48.017,40.132 60.209,52.324 ; v1(83.058,45.872) 83.058,47.262 77.996,52.324 v1(66.319,52.324) 60.209,52.324 ; v1(126.06,73.05) 124.485,73.05 123.419,71.984 123.419,64.338 114.529,55.448 100.641,55.448 100.031,56.058 75.336,56.058 74.422,56.972 64.857,56.972 60.209,52.324